# Allegro board buddy_lay_rev1.brd (continued)
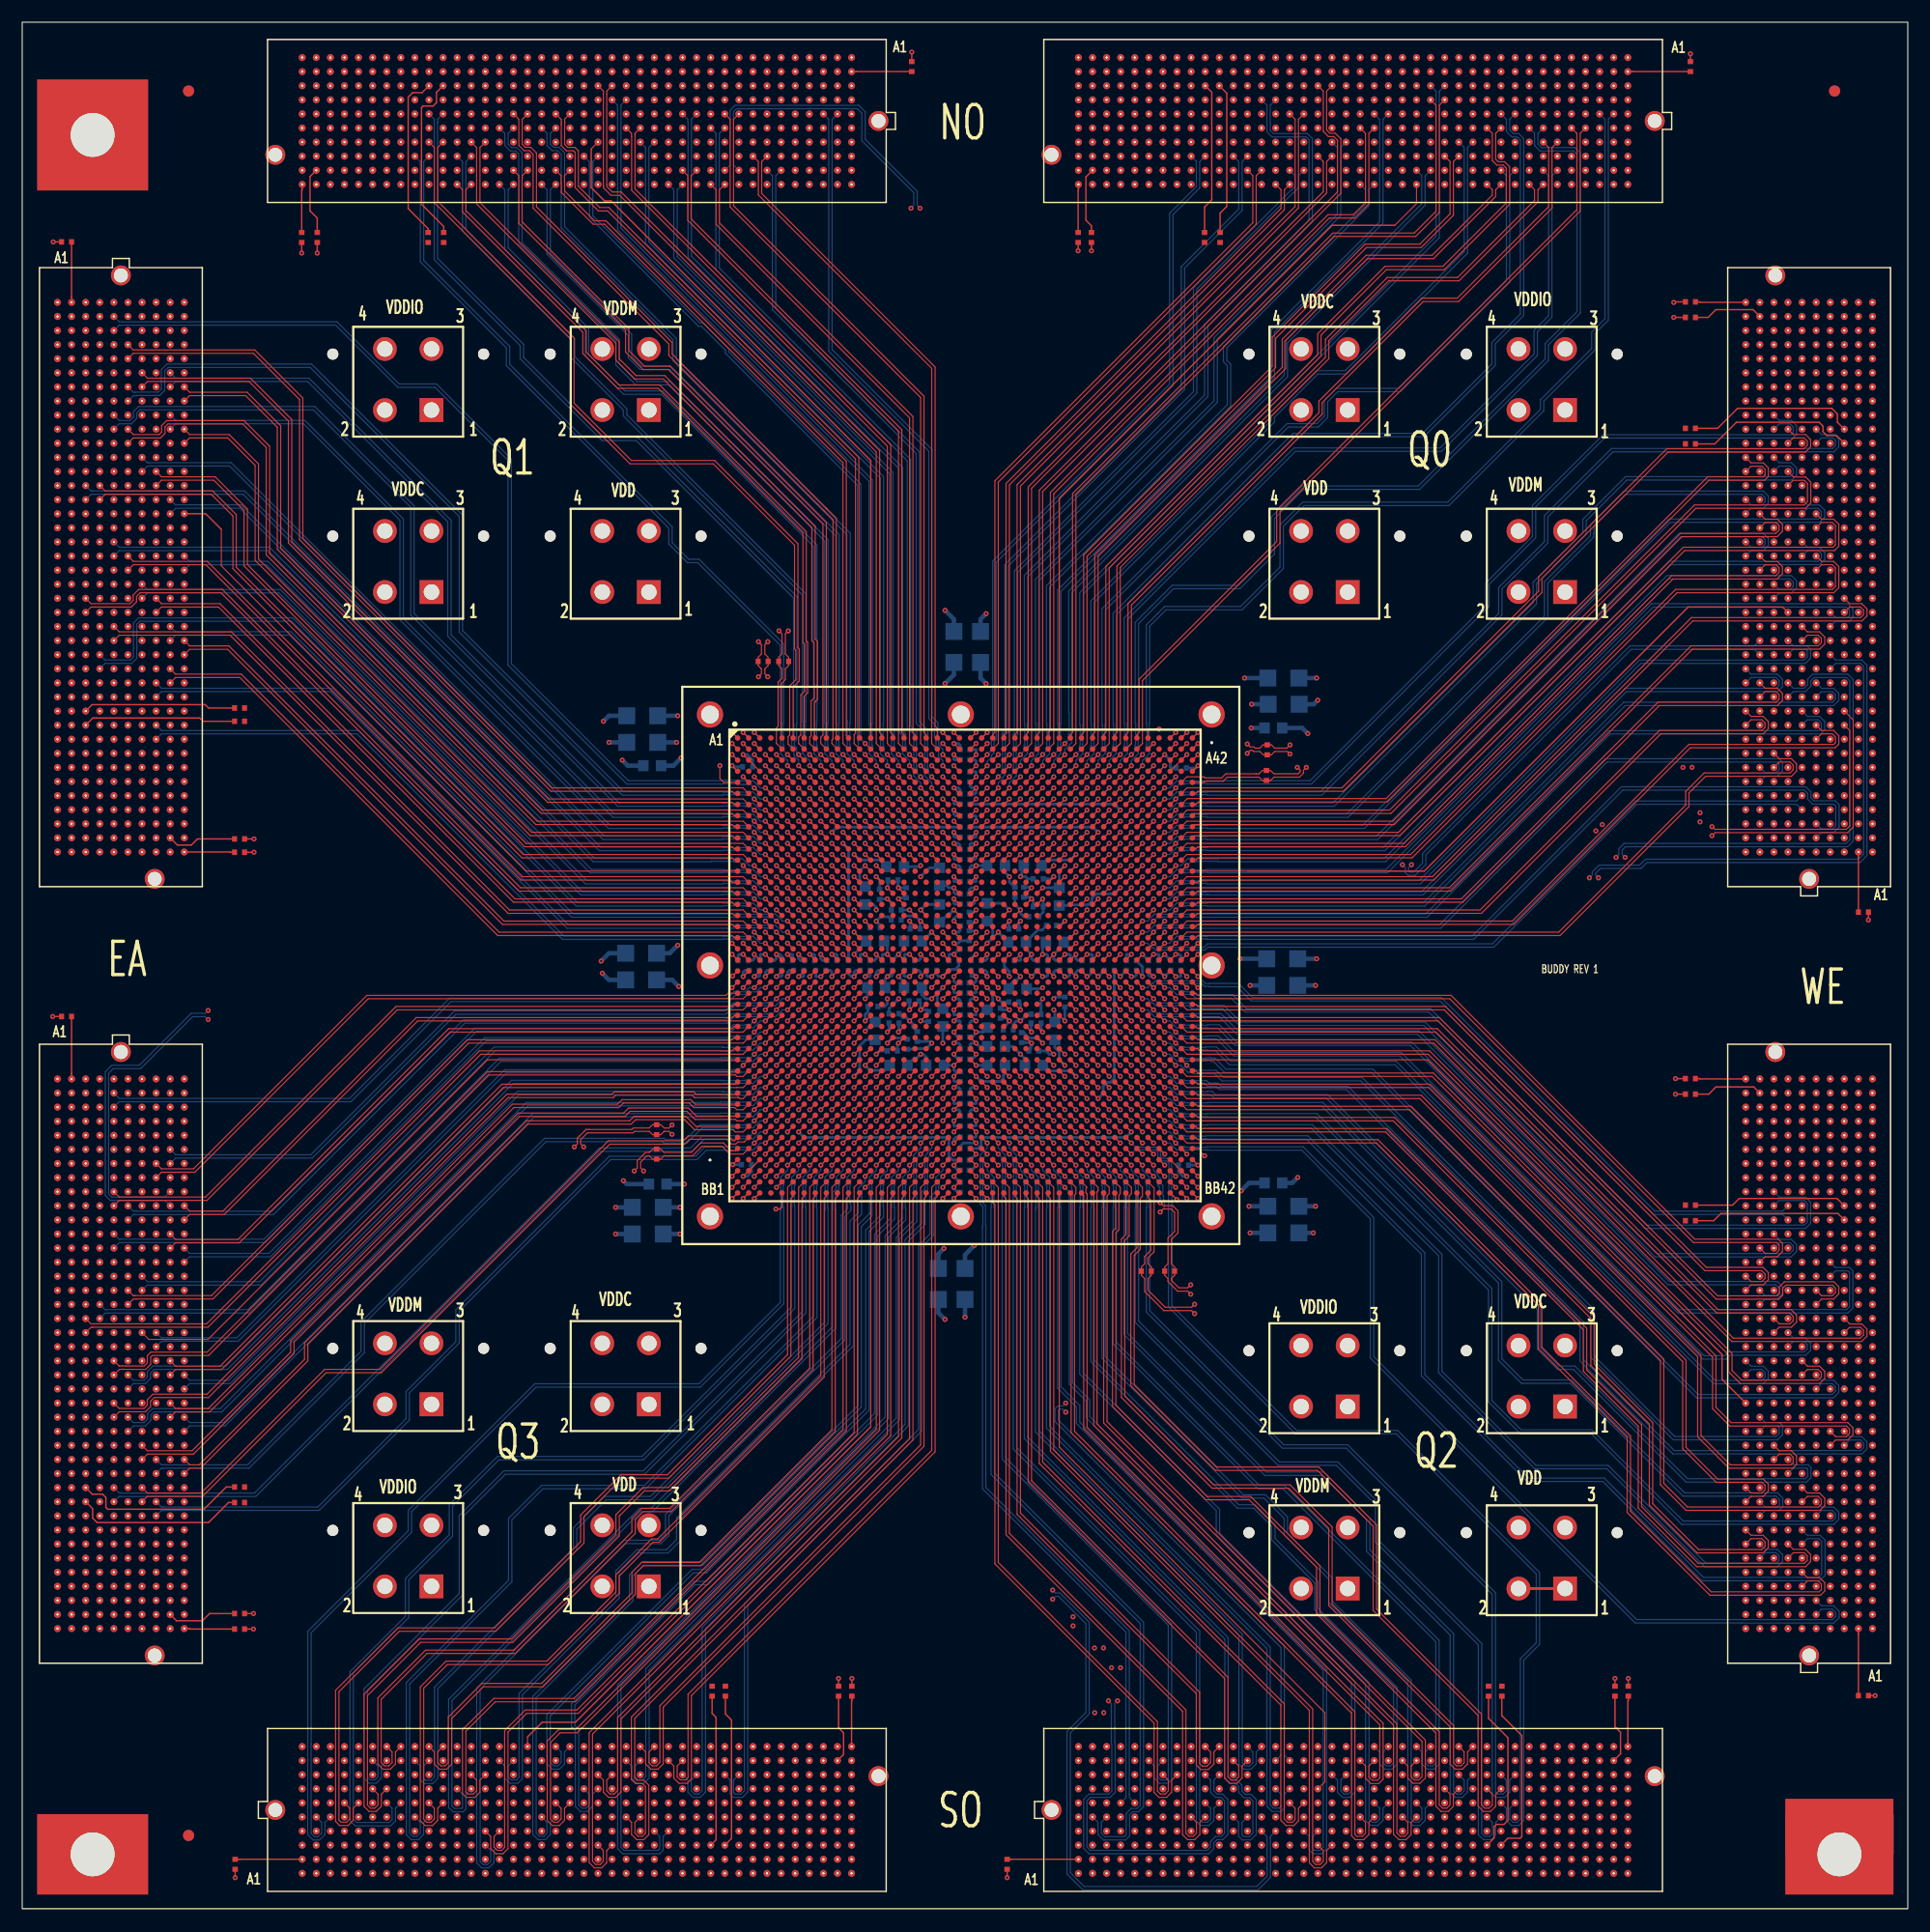
[diagram p0: board, top side]
## Routing (per net, layer and track width the routed paths; a pad name or vN(x,y) marks a point on that pad's centre or on a via; arc(x,y) is an arc through that point) (continued)
; J5.J20 118.88,13.35 ; J1.H39 26.51,158.4 ; J1.H39 26.99,157.93 ; J1.H39 26.04,157.93 ; J1.H39 26.51,157.45 ; 35.4,5.72 35.4,6.2 ; 35.4,5.72 35.4,5.25 ; 35.4,5.72 34.93,5.72 ; 35.4,5.72 35.88,5.72 ; 36.9,44.21 J17.1 ; J17.1 38.14,45.45 ; J17.1 35.66,45.45 ; J17.1 36.9,46.69 ; 3.19,60.8 3.19,61.28 ; 3.19,60.8 3.66,60.8 ; 3.19,60.8 3.19,60.33 ; 3.19,60.8 2.71,60.8 ; J3.D3 163.48,97.77 ; J3.D3 163,98.24 ; J3.D3 162.53,97.77 ; J3.D3 163,97.29 ; 3.98,41.75 J7.B27 ; J7.B27 4.46,41.28 ; J7.B27 4.93,41.75 ; J7.B27 4.46,42.23 ; J5.F9 105.39,10.01 ; J5.F9 104.91,9.54 ; J5.F9 105.39,9.06 ; J5.F9 105.86,9.54 ; 45.09,160.47 J1.F24 ; J1.F24 45.56,159.99 ; J1.F24 46.04,160.47 ; J1.F24 45.56,160.94 ; 163.8,135.87 J3.C33 ; J3.C33 164.75,135.87 ; J3.C33 164.28,135.39 ; J3.C33 164.28,136.34 ; 2.71,40.48 3.19,40.48 ; 3.19,40.48 3.66,40.48 ; 3.19,40.48 3.19,40.01 ; 3.19,40.48 3.19,40.96 ; 135.39,164.28 J2.C8 ; J2.C8 135.87,164.75 ; J2.C8 135.87,163.8 ; J2.C8 136.34,164.28 ; 163.8,25.24 J4.C1 ; J4.C1 164.28,24.77 ; J4.C1 164.75,25.24 ; J4.C1 164.28,25.72 ; J4.J32 157.13,64.61 ; J4.J32 156.66,65.09 ; J4.J32 156.18,64.61 ; J4.J32 156.66,64.14 ; J6.F2 26.99,9.54 ; J6.F2 26.04,9.54 ; J6.F2 26.51,9.06 ; J6.F2 26.51,10.01 ; 72.23,5.25 J6.C38 ; J6.C38 72.71,5.72 ; J6.C38 71.76,5.72 ; J6.C38 72.23,6.2 ; 3.98,43.02 J7.B26 ; J7.B26 4.46,42.55 ; J7.B26 4.93,43.02 ; J7.B26 4.46,43.5 ; 50.64,166.34 J1.A20 ; J1.A20 50.64,167.29 ; J1.A20 51.12,166.81 ; J1.A20 50.17,166.81 ; 2.71,49.37 3.19,49.37 ; 3.19,49.37 3.19,48.9 ; 3.19,49.37 3.66,49.37 ; 3.19,49.37 3.19,49.85 ; J3.D7 163.48,102.85 ; J3.D7 162.53,102.85 ; J3.D7 163,103.32 ; J3.D7 163,102.37 ; 107.93,7.79 107.93,8.27 ; 107.93,8.27 108.4,8.27 ; 107.93,8.27 107.93,8.74 ; 107.93,8.27 107.45,8.27 ; J7.B19 4.46,52.39 ; J7.B19 3.98,51.91 ; J7.B19 4.46,51.44 ; J7.B19 4.93,51.91 ; 45.09,166.81 J1.A24 ; J1.A24 46.04,166.81 ; J1.A24 45.56,167.29 ; J1.A24 45.56,166.34 ; 8.27,140.95 8.27,141.42 ; 8.27,140.95 8.27,140.47 ; 8.27,140.95 8.74,140.95 ; 8.27,140.95 7.79,140.95 ; J3.F15 160.47,113.48 ; J3.F15 159.99,113.01 ; J3.F15 160.94,113.01 ; J3.F15 160.47,112.53 ; J4.G32 159.67,64.61 ; J4.G32 159.19,64.14 ; J4.G32 159.19,65.09 ; J4.G32 158.72,64.61 ; 140.47,164.28 J2.C4 ; J2.C4 140.95,164.75 ; J2.C4 141.42,164.28 ; J2.C4 140.95,163.8 ; 132.85,163 J2.D10 ; J2.D10 133.33,162.53 ; J2.D10 133.8,163 ; J2.D10 133.33,163.48 ; 60.33,13.35 J6.J29 ; J6.J29 60.8,13.82 ; J6.J29 60.8,12.87 ; J6.J29 61.28,13.35 ; 27.31,159.19 J1.G38 ; J1.G38 28.26,159.19 ; J1.G38 27.78,158.72 ; J1.G38 27.78,159.67 ; J7.H15 12.55,56.99 ; J7.H15 12.07,56.52 ; J7.H15 11.6,56.99 ; J7.H15 12.07,57.47 ; 2.71,140.95 3.19,140.95 ; 3.19,140.95 3.19,140.47 ; 3.19,140.95 3.66,140.95 ; 3.19,140.95 3.19,141.42 ; 9.54,26.51 9.54,26.99 ; 9.54,26.51 10.01,26.51 ; 9.54,26.51 9.54,26.04 ; 9.54,26.51 9.06,26.51 ; 9.54,96.5 10.01,96.5 ; 9.54,96.5 9.06,96.5 ; 9.54,96.5 9.54,96.97 ; 9.54,96.5 9.54,96.02 ; J2.B30 107.93,166.02 ; J2.B30 107.45,165.54 ; J2.B30 108.4,165.54 ; J2.B30 107.93,165.07 ; J2.D7 137.14,163.48 ; J2.D7 136.66,163 ; J2.D7 137.14,162.53 ; J2.D7 137.61,163 ; 96.02,165.54 J2.B39 ; J2.B39 96.97,165.54 ; J2.B39 96.5,165.07 ; J2.B39 96.5,166.02 ; 10.33,74.77 10.8,74.77 ; 10.8,74.77 10.8,75.25 ; 10.8,74.77 10.8,74.3 ; 10.8,74.77 11.28,74.77 ; 126.98,159.99 J2.F15 ; J2.F15 126.98,160.94 ; J2.F15 126.5,160.47 ; J2.F15 127.45,160.47 ; J1.G29 39.21,159.67 ; J1.G29 39.69,159.19 ; J1.G29 39.21,158.72 ; J1.G29 38.74,159.19 ; 30.32,5.25 30.32,5.72 ; 30.32,5.72 29.85,5.72 ; 30.32,5.72 30.32,6.2 ; 30.32,5.72 30.8,5.72 ; 61.6,12.07 J6.H30 ; J6.H30 62.07,12.55 ; J6.H30 62.55,12.07 ; J6.H30 62.07,11.6 ; 163,47.63 J4.D19 ; J4.D19 162.53,48.1 ; J4.D19 163,48.58 ; J4.D19 163.48,48.1 ; 165.07,51.91 J4.B22 ; J4.B22 165.54,52.39 ; J4.B22 166.02,51.91 ; J4.B22 165.54,51.44 ; 138.41,10.33 J5.G35 ; J5.G35 137.93,10.8 ; J5.G35 138.88,10.8 ; J5.G35 138.41,11.28 ; 12.87,120.63 J8.J20 ; J8.J20 13.35,120.15 ; J8.J20 13.82,120.63 ; J8.J20 13.35,121.1 ; 11.6,134.6 J8.H9 ; J8.H9 12.07,135.07 ; J8.H9 12.07,134.12 ; J8.H9 12.55,134.6 ; 35.4,14.14 J6.K9 ; J6.K9 35.4,15.09 ; J6.K9 35.88,14.62 ; J6.K9 34.93,14.62 ; J7.B31 4.93,36.67 ; J7.B31 4.46,36.2 ; J7.B31 4.46,37.15 ; J7.B31 3.98,36.67 ; J2.A5 140.15,166.81 ; J2.A5 139.68,167.29 ; J2.A5 139.2,166.81 ; J2.A5 139.68,166.34 ; 158.72,41.75 J4.G14 ; J4.G14 159.19,41.28 ; J4.G14 159.67,41.75 ; J4.G14 159.19,42.23 ; J1.K21 49.37,155.86 ; J1.K21 48.9,155.38 ; J1.K21 49.37,154.91 ; J1.K21 49.85,155.38 ; J6.E17 46.04,8.27 ; J6.E17 45.56,7.79 ; J6.E17 45.56,8.74 ; J6.E17 45.09,8.27 ; J8.J40 13.82,95.23 ; J8.J40 13.35,95.7 ; J8.J40 12.87,95.23 ; J8.J40 13.35,94.75 ; J4.F21 160.94,50.64 ; J4.F21 160.47,51.12 ; J4.F21 160.47,50.17 ; J4.F21 159.99,50.64 ; J20.1 57.74,29.05 ; J20.1 55.26,29.05 ; J20.1 56.5,30.29 ; J20.1 56.5,27.81 ; J1.H18 53.66,157.93 ; J1.H18 53.18,157.45 ; J1.H18 52.71,157.93 ; J1.H18 53.18,158.4 ; 166.34,104.12 J3.A8 ; J3.A8 167.29,104.12 ; J3.A8 166.81,104.59 ; J3.A8 166.81,103.64 ; 157.93,42.55 J4.H15 ; J4.H15 157.93,43.5 ; J4.H15 158.4,43.02 ; J4.H15 157.45,43.02 ; 156.66,99.83 J3.J5 ; J3.J5 157.13,100.31 ; J3.J5 156.18,100.31 ; J3.J5 156.66,100.78 ; 60.8,159.99 J1.F12 ; J1.F12 60.8,160.94 ; J1.F12 61.28,160.47 ; J1.F12 60.33,160.47 ; 31.46,45.45 J17.2 ; J17.2 32.7,46.69 ; J17.2 32.7,44.21 ; J17.2 33.94,45.45 ; 9.54,71.76 J7.F3 ; J7.F3 10.01,72.23 ; J7.F3 9.54,72.71 ; J7.F3 9.06,72.23 ; 41.75,165.07 J1.B27 ; J1.B27 41.75,166.02 ; J1.B27 41.28,165.54 ; J1.B27 42.23,165.54 ; J1.D25 44.29,163.48 ; J1.D25 44.29,162.53 ; J1.D25 43.82,163 ; J1.D25 44.77,163 ; 101.58,161.74 101.58,162.21 ; 101.58,161.74 102.05,161.74 ; 101.58,161.74 101.1,161.74 ; 101.58,161.74 101.58,161.26 ; J4.A5 166.81,30.8 ; J4.A5 166.34,30.32 ; J4.A5 167.29,30.32 ; J4.A5 166.81,29.85 ; J6.B15 43.02,4.93 ; J6.B15 43.5,4.46 ; J6.B15 43.02,3.98 ; J6.B15 42.55,4.46 ; J8.E20 8.27,121.1 ; J8.E20 7.79,120.63 ; J8.E20 8.27,120.15 ; J8.E20 8.74,120.63 ; 161.26,115.55 161.74,115.55 ; 161.74,115.55 162.21,115.55 ; 161.74,115.55 161.74,115.07 ; 161.74,115.55 161.74,116.02 ; J5.K21 121.1,14.62 ; J5.K21 120.63,15.09 ; J5.K21 120.15,14.62 ; J5.K21 120.63,14.14 ; 41.75,3.98 J6.B14 ; J6.B14 42.23,4.46 ; J6.B14 41.75,4.93 ; J6.B14 41.28,4.46 ; 165.07,138.41 J3.B35 ; J3.B35 165.54,138.88 ; J3.B35 166.02,138.41 ; J3.B35 165.54,137.93 ; J1.D37 29.53,163 ; J1.D37 29.05,163.48 ; J1.D37 28.58,163 ; J1.D37 29.05,162.53 ; J7.H2 12.55,73.5 ; J7.H2 11.6,73.5 ; J7.H2 12.07,73.98 ; J7.H2 12.07,73.03 ; J3.G29 159.19,131.26 ; J3.G29 159.67,130.79 ; J3.G29 159.19,130.31 ; J3.G29 158.72,130.79 ; 164.28,33.66 J4.C8 ; J4.C8 164.28,34.61 ; J4.C8 164.75,34.13 ; J4.C8 163.8,34.13 ; J6.J38 72.23,13.82 ; J6.J38 72.71,13.35 ; J6.J38 71.76,13.35 ; J6.J38 72.23,12.87 ; J4.C36 164.28,70.17 ; J4.C36 163.8,69.69 ; J4.C36 164.28,69.22 ; J4.C36 164.75,69.69 ; J5.D19 118.56,7 ; J5.D19 118.09,6.52 ; J5.D19 118.09,7.47 ; J5.D19 117.61,7 ; J3.G35 159.19,138.88 ; J3.G35 159.67,138.41 ; J3.G35 159.19,137.93 ; J3.G35 158.72,138.41 ; 5.72,50.64 5.72,51.12 ; 5.72,50.64 6.2,50.64 ; 5.72,50.64 5.72,50.17 ; 5.72,50.64 5.25,50.64 ; J4.A37 167.29,70.96 ; J4.A37 166.34,70.96 ; J4.A37 166.81,70.49 ; J4.A37 166.81,71.44 ; 163,101.1 J3.D6 ; J3.D6 162.53,101.58 ; J3.D6 163.48,101.58 ; J3.D6 163,102.05 ; 161.26,138.41 161.74,138.41 ; 161.74,138.41 162.21,138.41 ; 161.74,138.41 161.74,138.88 ; 161.74,138.41 161.74,137.93 ; 41.75,8.27 41.75,8.74 ; 41.75,8.27 41.28,8.27 ; 41.75,8.27 41.75,7.79 ; 41.75,8.27 42.23,8.27 ; J15.2 115.3,119.89 ; J15.2 115.3,117.41 ; J15.2 114.06,118.65 ; J15.2 116.54,118.65 ; 129.04,166.81 J2.A13 ; J2.A13 129.99,166.81 ; J2.A13 129.52,167.29 ; J2.A13 129.52,166.34 ; 94.75,161.74 95.23,161.74 ; 95.23,161.74 95.23,161.26 ; 95.23,161.74 95.7,161.74 ; 95.23,161.74 95.23,162.21 ; 12.87,109.2 J8.J29 ; J8.J29 13.35,109.67 ; J8.J29 13.82,109.2 ; J8.J29 13.35,108.72 ; 166.34,64.61 J4.A32 ; J4.A32 166.81,65.09 ; J4.A32 166.81,64.14 ; J4.A32 167.29,64.61 ; 111.74,159.99 J2.F27 ; J2.F27 112.21,160.47 ; J2.F27 111.26,160.47 ; J2.F27 111.74,160.94 ; 12.07,26.04 J7.H39 ; J7.H39 12.55,26.51 ; J7.H39 11.6,26.51 ; J7.H39 12.07,26.99 ; J7.H3 12.55,72.23 ; J7.H3 12.07,71.76 ; J7.H3 12.07,72.71 ; J7.H3 11.6,72.23 ; J7.H6 12.07,68.9 ; J7.H6 12.07,67.95 ; J7.H6 12.55,68.42 ; J7.H6 11.6,68.42 ; 129.52,162.53 J2.D13 ; J2.D13 129.99,163 ; J2.D13 129.04,163 ; J2.D13 129.52,163.48 ; 123.17,7.79 J5.E23 ; J5.E23 123.17,8.74 ; J5.E23 123.64,8.27 ; J5.E23 122.69,8.27 ; 157.93,53.98 J4.H24 ; J4.H24 158.4,54.45 ; J4.H24 157.45,54.45 ; J4.H24 157.93,54.93 ; 60.33,157.93 J1.H12 ; J1.H12 61.28,157.93 ; J1.H12 60.8,158.4 ; J1.H12 60.8,157.45 ; J7.A32 3.19,35.88 ; J7.A32 3.19,34.93 ; J7.A32 2.71,35.4 ; J7.A32 3.66,35.4 ; 116.34,159.19 J2.G23 ; J2.G23 116.82,158.72 ; J2.G23 117.29,159.19 ; J2.G23 116.82,159.67 ; 53.98,159.19 J1.G17 ; J1.G17 54.93,159.19 ; J1.G17 54.45,159.67 ; J1.G17 54.45,158.72 ; 128.25,9.06 128.25,9.54 ; 128.25,9.54 128.25,10.01 ; 128.25,9.54 127.77,9.54 ; 128.25,9.54 128.72,9.54 ; J8.A36 3.66,100.31 ; J8.A36 3.19,100.78 ; J8.A36 3.19,99.83 ; J8.A36 2.71,100.31 ; 61.6,159.19 J1.G11 ; J1.G11 62.07,158.72 ; J1.G11 62.55,159.19 ; J1.G11 62.07,159.67 ; 141.74,157.93 J2.H3 ; J2.H3 142.22,158.4 ; J2.H3 142.22,157.45 ; J2.H3 142.69,157.93 ; 7,71.76 J7.D3 ; J7.D3 7.47,72.23 ; J7.D3 6.52,72.23 ; J7.D3 7,72.71 ; 109.2,156.18 J2.J29 ; J2.J29 109.67,156.66 ; J2.J29 108.72,156.66 ; J2.J29 109.2,157.13 ; 138.41,159.99 J2.F6 ; J2.F6 138.41,160.94 ; J2.F6 137.93,160.47 ; J2.F6 138.88,160.47 ; J7.G38 11.28,27.78 ; J7.G38 10.33,27.78 ; J7.G38 10.8,27.31 ; J7.G38 10.8,28.26 ; J5.E32 135.07,8.27 ; J5.E32 134.6,8.74 ; J5.E32 134.12,8.27 ; J5.E32 134.6,7.79 ; 49.37,5.72 49.37,6.2 ; 49.37,5.72 49.37,5.25 ; 49.37,5.72 48.9,5.72 ; 49.37,5.72 49.85,5.72 ; 33.66,8.27 34.13,8.27 ; 34.13,8.27 34.13,7.79 ; 34.13,8.27 34.61,8.27 ; 34.13,8.27 34.13,8.74 ; 7,26.04 7,26.51 ; 7,26.51 7.47,26.51 ; 7,26.51 7,26.99 ; 7,26.51 6.52,26.51 ; 161.26,64.61 161.74,64.61 ; 161.74,64.61 162.21,64.61 ; 161.74,64.61 161.74,64.14 ; 161.74,64.61 161.74,65.09 ; J1.J23 46.83,157.13 ; J1.J23 46.83,156.18 ; J1.J23 46.36,156.66 ; J1.J23 47.31,156.66 ; 31.59,3.98 J6.B6 ; J6.B6 32.07,4.46 ; J6.B6 31.12,4.46 ; J6.B6 31.59,4.93 ; 67.15,4.46 67.15,4.93 ; 67.15,4.46 67.63,4.46 ; 67.15,4.46 66.68,4.46 ; 67.15,4.46 67.15,3.98 ; J7.E35 8.27,32.07 ; J7.E35 7.79,31.59 ; J7.E35 8.74,31.59 ; J7.E35 8.27,31.12 ; 161.74,56.99 162.21,56.99 ; 161.74,56.99 161.74,56.52 ; 161.74,56.99 161.74,57.47 ; 161.74,56.99 161.26,56.99 ; 5.72,135.87 5.72,136.34 ; 5.72,135.87 5.25,135.87 ; 5.72,135.87 5.72,135.39 ; 5.72,135.87 6.2,135.87 ; J6.K18 46.83,15.09 ; J6.K18 46.36,14.62 ; J6.K18 46.83,14.14 ; J6.K18 47.31,14.62 ; 72.23,3.98 72.23,4.46 ; 72.23,4.46 72.71,4.46 ; 72.23,4.46 71.76,4.46 ; 72.23,4.46 72.23,4.93 ; J2.G5 139.68,159.67 ; J2.G5 140.15,159.19 ; J2.G5 139.68,158.72 ; J2.G5 139.2,159.19 ; J8.E14 8.27,128.72 ; J8.E14 7.79,128.25 ; J8.E14 8.27,127.77 ; J8.E14 8.74,128.25 ; J1.F3 72.71,160.47 ; J1.F3 72.23,160.94 ; J1.F3 72.23,159.99 ; J1.F3 71.76,160.47 ; 166.81,139.2 J3.A36 ; J3.A36 167.29,139.68 ; J3.A36 166.81,140.15 ; J3.A36 166.34,139.68 ; J7.G11 10.8,62.55 ; J7.G11 11.28,62.07 ; J7.G11 10.8,61.6 ; J7.G11 10.33,62.07 ; J1.A12 61.28,166.81 ; J1.A12 60.8,167.29 ; J1.A12 60.8,166.34 ; J1.A12 60.33,166.81 ; J4.J35 156.66,68.9 ; J4.J35 157.13,68.42 ; J4.J35 156.18,68.42 ; J4.J35 156.66,67.95 ; 7.79,62.07 J7.E11 ; J7.E11 8.27,61.6 ; J7.E11 8.74,62.07 ; J7.E11 8.27,62.55 ; 6.52,40.48 J7.D28 ; J7.D28 7,40.01 ; J7.D28 7.47,40.48 ; J7.D28 7,40.96 ; J8.C36 6.2,100.31 ; J8.C36 5.72,99.83 ; J8.C36 5.72,100.78 ; J8.C36 5.25,100.31 ; 130.31,155.38 J2.K12 ; J2.K12 130.79,155.86 ; J2.K12 130.79,154.91 ; J2.K12 131.26,155.38 ; 13.35,74.77 13.82,74.77 ; 13.35,74.77 13.35,74.3 ; 13.35,74.77 12.87,74.77 ; 13.35,74.77 13.35,75.25 ; 27.31,164.28 J1.C38 ; J1.C38 27.78,164.75 ; J1.C38 27.78,163.8 ; J1.C38 28.26,164.28 ; 7,73.03 J7.D2 ; J7.D2 7.47,73.5 ; J7.D2 6.52,73.5 ; J7.D2 7,73.98 ; 164.28,139.2 J3.C36 ; J3.C36 164.28,140.15 ; J3.C36 164.75,139.68 ; J3.C36 163.8,139.68 ; 5.25,45.56 5.72,45.56 ; 5.72,45.56 5.72,45.09 ; 5.72,45.56 6.2,45.56 ; 5.72,45.56 5.72,46.04 ; 26.04,7 J6.D2 ; J6.D2 26.51,6.52 ; J6.D2 26.51,7.47 ; J6.D2 26.99,7 ; 10.8,127.77 J8.G14 ; J8.G14 10.8,128.72 ; J8.G14 11.28,128.25 ; J8.G14 10.33,128.25 ; 114.28,6.52 J5.D16 ; J5.D16 114.75,7 ; J5.D16 114.28,7.47 ; J5.D16 113.8,7 ; J3.G26 159.19,127.45 ; J3.G26 159.19,126.5 ; J3.G26 158.72,126.98 ; J3.G26 159.67,126.98 ; 125.23,163 J2.D16 ; J2.D16 125.71,162.53 ; J2.D16 125.71,163.48 ; J2.D16 126.18,163 ; J1.K9 64.61,155.86 ; J1.K9 64.14,155.38 ; J1.K9 64.61,154.91 ; J1.K9 65.09,155.38 ; J7.K12 15.09,60.8 ; J7.K12 14.62,61.28 ; J7.K12 14.62,60.33 ; J7.K12 14.14,60.8 ; J3.B22 165.54,122.37 ; J3.B22 165.54,121.42 ; J3.B22 165.07,121.9 ; J3.B22 166.02,121.9 ; 12.07,99.83 J8.H36 ; J8.H36 12.07,100.78 ; J8.H36 11.6,100.31 ; J8.H36 12.55,100.31 ; J6.A36 69.69,3.66 ; J6.A36 69.22,3.19 ; J6.A36 69.69,2.71 ; J6.A36 70.17,3.19 ; J7.F2 9.54,73.98 ; J7.F2 10.01,73.5 ; J7.F2 9.06,73.5 ; J7.F2 9.54,73.03 ; 163,40.01 J4.D13 ; J4.D13 162.53,40.48 ; J4.D13 163.48,40.48 ; J4.D13 163,40.96 ; 56.52,10.8 J6.G26 ; J6.G26 57.47,10.8 ; J6.G26 56.99,11.28 ; J6.G26 56.99,10.33 ; J1.D6 68.9,163 ; J1.D6 68.42,163.48 ; J1.D6 68.42,162.53 ; J1.D6 67.95,163 ; 41.28,157.93 J1.H27 ; J1.H27 41.75,158.4 ; J1.H27 41.75,157.45 ; J1.H27 42.23,157.93 ; 57.79,156.66 J1.J14 ; J1.J14 58.26,156.18 ; J1.J14 58.26,157.13 ; J1.J14 58.74,156.66 ; 161.74,126.5 161.74,126.98 ; 161.74,126.98 161.74,127.45 ; 161.74,126.98 161.26,126.98 ; 161.74,126.98 162.21,126.98 ; J3.J8 157.13,104.12 ; J3.J8 156.18,104.12 ; J3.J8 156.66,104.59 ; J3.J8 156.66,103.64 ; J4.D10 163.48,36.67 ; J4.D10 163,37.15 ; J4.D10 162.53,36.67 ; J4.D10 163,36.2 ; J2.F33 104.59,160.47 ; J2.F33 103.64,160.47 ; J2.F33 104.12,159.99 ; J2.F33 104.12,160.94 ; 53.18,7.79 J6.E23 ; J6.E23 53.18,8.74 ; J6.E23 53.66,8.27 ; J6.E23 52.71,8.27 ; 29.05,5.72 29.53,5.72 ; 29.05,5.72 29.05,6.2 ; 29.05,5.72 28.58,5.72 ; 29.05,5.72 29.05,5.25 ; 69.22,164.28 J1.C5 ; J1.C5 69.69,163.8 ; J1.C5 70.17,164.28 ; J1.C5 69.69,164.75 ; 2.71,120.63 3.19,120.63 ; 3.19,120.63 3.19,120.15 ; 3.19,120.63 3.66,120.63 ; 3.19,120.63 3.19,121.1 ; 52.71,155.38 J1.K18 ; J1.K18 53.18,155.86 ; J1.K18 53.18,154.91 ; J1.K18 53.66,155.38 ; 61.6,9.54 62.07,9.54 ; 62.07,9.54 62.55,9.54 ; 62.07,9.54 62.07,9.06 ; 62.07,9.54 62.07,10.01 ; 161.74,29.85 161.74,30.32 ; 161.74,30.32 161.74,30.8 ; 161.74,30.32 161.26,30.32 ; 161.74,30.32 162.21,30.32 ; J3.D22 163.48,121.9 ; J3.D22 163,122.37 ; J3.D22 163,121.42 ; J3.D22 162.53,121.9 ; 65.41,156.66 J1.J8 ; J1.J8 65.88,157.13 ; J1.J8 66.36,156.66 ; J1.J8 65.88,156.18 ; 157.93,38.74 J4.H12 ; J4.H12 157.45,39.21 ; J4.H12 158.4,39.21 ; J4.H12 157.93,39.69 ; J8.B2 4.46,143.96 ; J8.B2 3.98,143.49 ; J8.B2 4.93,143.49 ; J8.B2 4.46,143.01 ; 44.29,3.19 44.29,3.66 ; 44.29,3.19 44.29,2.71 ; 44.29,3.19 44.77,3.19 ; 44.29,3.19 43.82,3.19 ; J2.B7 137.61,165.54 ; J2.B7 137.14,165.07 ; J2.B7 137.14,166.02 ; J2.B7 136.66,165.54 ; J1.A40 25.24,167.29 ; J1.A40 24.77,166.81 ; J1.A40 25.24,166.34 ; J1.A40 25.72,166.81 ; 3.19,139.2 3.19,139.68 ; 3.19,139.68 3.66,139.68 ; 3.19,139.68 2.71,139.68 ; 3.19,139.68 3.19,140.15 ; J2.C1 145.23,164.28 ; J2.C1 144.28,164.28 ; J2.C1 144.76,163.8 ; J2.C1 144.76,164.75 ; 37.47,155.38 J1.K30 ; J1.K30 37.94,155.86 ; J1.K30 37.94,154.91 ; J1.K30 38.42,155.38 ; J8.G20 10.8,121.1 ; J8.G20 11.28,120.63 ; J8.G20 10.8,120.15 ; J8.G20 10.33,120.63 ; 125.71,3.19 126.18,3.19 ; 125.71,3.19 125.23,3.19 ; 125.71,3.19 125.71,2.71 ; 125.71,3.19 125.71,3.66 ; J4.J4 156.66,29.53 ; J4.J4 156.18,29.05 ; J4.J4 156.66,28.58 ; J4.J4 157.13,29.05 ; 129.04,5.72 J5.C28 ; J5.C28 129.99,5.72 ; J5.C28 129.52,6.2 ; J5.C28 129.52,5.25 ; 163.8,72.23 J4.C38 ; J4.C38 164.28,72.71 ; J4.C38 164.28,71.76 ; J4.C38 164.75,72.23 ; 3.19,70.96 3.66,70.96 ; 3.19,70.96 3.19,70.49 ; 3.19,70.96 2.71,70.96 ; 3.19,70.96 3.19,71.44 ; 135.87,14.14 135.87,14.62 ; 135.87,14.62 136.34,14.62 ; 135.87,14.62 135.39,14.62 ; 135.87,14.62 135.87,15.09 ; 120.15,9.54 J5.F21 ; J5.F21 120.63,10.01 ; J5.F21 120.63,9.06 ; J5.F21 121.1,9.54 ; 9.54,64.14 J7.F9 ; J7.F9 10.01,64.61 ; J7.F9 9.54,65.09 ; J7.F9 9.06,64.61 ; 14.62,56.52 J7.K15 ; J7.K15 14.14,56.99 ; J7.K15 15.09,56.99 ; J7.K15 14.62,57.47 ; J1.G1 75.25,159.19 ; J1.G1 74.3,159.19 ; J1.G1 74.77,159.67 ; J1.G1 74.77,158.72 ; 70.96,156.18 J1.J4 ; J1.J4 70.96,157.13 ; J1.J4 70.49,156.66 ; J1.J4 71.44,156.66 ; 43.82,164.28 J1.C25 ; J1.C25 44.29,163.8 ; J1.C25 44.77,164.28 ; J1.C25 44.29,164.75 ; J5.K12 109.67,14.62 ; J5.K12 109.2,14.14 ; J5.K12 109.2,15.09 ; J5.K12 108.72,14.62 ; 165.07,73.5 J4.B39 ; J4.B39 166.02,73.5 ; J4.B39 165.54,73.98 ; J4.B39 165.54,73.03 ; J3.B26 166.02,126.98 ; J3.B26 165.54,127.45 ; J3.B26 165.07,126.98 ; J3.B26 165.54,126.5 ; 113.01,161.26 113.01,161.74 ; 113.01,161.74 113.01,162.21 ; 113.01,161.74 113.48,161.74 ; 113.01,161.74 112.53,161.74 ; 143.01,160.47 J2.F2 ; J2.F2 143.96,160.47 ; J2.F2 143.49,159.99 ; J2.F2 143.49,160.94 ; J2.K27 111.74,155.86 ; J2.K27 112.21,155.38 ; J2.K27 111.74,154.91 ; J2.K27 111.26,155.38 ; 165.54,27.31 J4.B3 ; J4.B3 166.02,27.78 ; J4.B3 165.54,28.26 ; J4.B3 165.07,27.78 ; 5.72,53.98 5.72,54.45 ; 5.72,54.45 6.2,54.45 ; 5.72,54.45 5.25,54.45 ; 5.72,54.45 5.72,54.93 ; J3.H9 157.93,105.86 ; J3.H9 158.4,105.39 ; J3.H9 157.45,105.39 ; J3.H9 157.93,104.91 ; 7,66.68 J7.D7 ; J7.D7 6.52,67.15 ; J7.D7 7,67.63 ; J7.D7 7.47,67.15 ; 8.27,135.87 8.74,135.87 ; 8.27,135.87 7.79,135.87 ; 8.27,135.87 8.27,135.39 ; 8.27,135.87 8.27,136.34 ; 63.34,162.53 J1.D10 ; J1.D10 63.82,163 ; J1.D10 63.34,163.48 ; J1.D10 62.87,163 ; 109.99,3.19 110.47,3.19 ; 110.47,3.19 110.47,3.66 ; 110.47,3.19 110.47,2.71 ; 110.47,3.19 110.94,3.19 ; 165.07,106.66 J3.B10 ; J3.B10 165.54,107.13 ; J3.B10 165.54,106.18 ; J3.B10 166.02,106.66 ; J3.H3 158.4,97.77 ; J3.H3 157.93,97.29 ; J3.H3 157.93,98.24 ; J3.H3 157.45,97.77 ; J3.J35 156.66,138.88 ; J3.J35 156.18,138.41 ; J3.J35 156.66,137.93 ; J3.J35 157.13,138.41 ; J1.H33 34.61,157.93 ; J1.H33 34.13,158.4 ; J1.H33 34.13,157.45 ; J1.H33 33.66,157.93 ; 31.12,161.74 31.59,161.74 ; 31.59,161.74 32.07,161.74 ; 31.59,161.74 31.59,161.26 ; 31.59,161.74 31.59,162.21 ; 60.33,8.27 J6.E29 ; J6.E29 60.8,8.74 ; J6.E29 61.28,8.27 ; J6.E29 60.8,7.79 ; 29.85,166.81 J1.A36 ; J1.A36 30.32,167.29 ; J1.A36 30.32,166.34 ; J1.A36 30.8,166.81 ; 133.66,135.05 J14.2 ; J14.2 134.9,133.81 ; J14.2 136.14,135.05 ; J14.2 134.9,136.29 ; J2.C25 114.28,164.75 ; J2.C25 114.75,164.28 ; J2.C25 113.8,164.28 ; J2.C25 114.28,163.8 ; J3.H27 157.93,128.72 ; J3.H27 157.93,127.77 ; J3.H27 158.4,128.25 ; J3.H27 157.45,128.25 ; 134.6,2.71 J5.A32 ; J5.A32 134.6,3.66 ; J5.A32 134.12,3.19 ; J5.A32 135.07,3.19 ; 132.06,9.54 132.53,9.54 ; 132.06,9.54 131.58,9.54 ; 132.06,9.54 132.06,10.01 ; 132.06,9.54 132.06,9.06 ; 124.44,9.06 J5.F24 ; J5.F24 124.44,10.01 ; J5.F24 124.91,9.54 ; J5.F24 123.96,9.54 ; 53.18,3.98 J6.B23 ; J6.B23 53.18,4.93 ; J6.B23 53.66,4.46 ; J6.B23 52.71,4.46 ; 159.99,62.07 J4.F30 ; J4.F30 160.94,62.07 ; J4.F30 160.47,61.6 ; J4.F30 160.47,62.55 ; J7.F12 10.01,60.8 ; J7.F12 9.06,60.8 ; J7.F12 9.54,60.33 ; J7.F12 9.54,61.28 ; 37.94,10.8 37.94,11.28 ; 37.94,10.8 38.42,10.8 ; 37.94,10.8 37.94,10.33 ; 37.94,10.8 37.47,10.8 ; J6.B10 37.15,4.46 ; J6.B10 36.2,4.46 ; J6.B10 36.67,4.93 ; J6.B10 36.67,3.98 ; 71.76,157.93 J1.H3 ; J1.H3 72.23,158.4 ; J1.H3 72.71,157.93 ; J1.H3 72.23,157.45 ; 5.25,139.68 5.72,139.68 ; 5.72,139.68 5.72,140.15 ; 5.72,139.68 6.2,139.68 ; 5.72,139.68 5.72,139.2 ; J6.E35 68.42,8.74 ; J6.E35 68.42,7.79 ; J6.E35 67.95,8.27 ; J6.E35 68.9,8.27 ; J6.F18 47.31,9.54 ; J6.F18 46.83,10.01 ; J6.F18 46.36,9.54 ; J6.F18 46.83,9.06 ; 31.12,156.66 J1.J35 ; J1.J35 31.59,157.13 ; J1.J35 32.07,156.66 ; J1.J35 31.59,156.18 ; 166.81,74.3 J4.A40 ; J4.A40 167.29,74.77 ; J4.A40 166.34,74.77 ; J4.A40 166.81,75.25 ; J6.K2 26.51,15.09 ; J6.K2 26.51,14.14 ; J6.K2 26.99,14.62 ; J6.K2 26.04,14.62 ; J6.A28 60.01,3.19 ; J6.A28 59.53,3.66 ; J6.A28 59.06,3.19 ; J6.A28 59.53,2.71 ; J3.K36 155.86,139.68 ; J3.K36 155.38,140.15 